# Altium PCB Hands_free_ControlUnit_V1.PcbDoc (part 2 of 3)
Units mm, origin at the board's own origin, x right, y up, seen from the top; angles counter-clockwise.
Board outline 60.25 x 90.27 mm, 2 copper layers (Top Layer, Bottom Layer); 33 components, 66 nets, 337 pads, 84 vias.
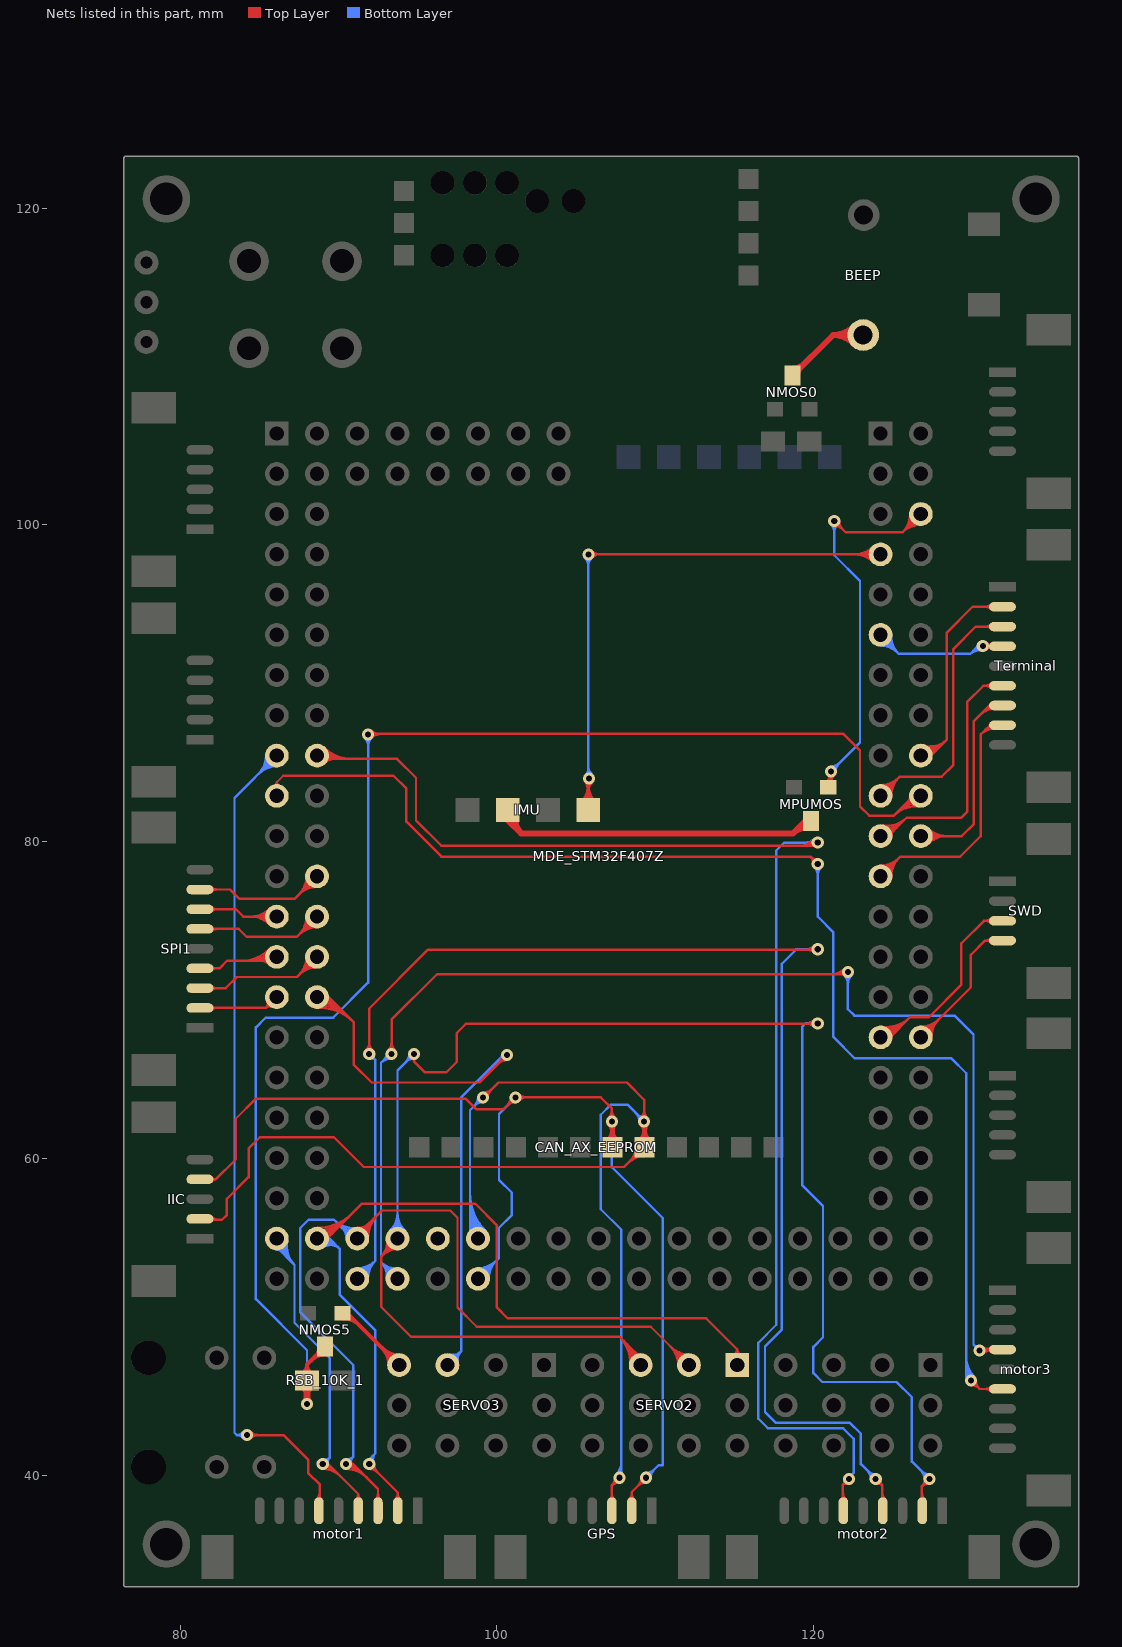
[diagram p2: the nets of this part, all layers, seen from the top]

## Via types
v1: diameter 0.762, hole 0.381, Top Layer to Bottom Layer, 70 vias
v2: diameter 1.016, hole 0.508, Top Layer to Bottom Layer, 11 vias
v3: diameter 1.27, hole 0.635, Top Layer to Bottom Layer, 3 vias

## Nets (pads, with @x,y where several pads share a name; then routed paths per layer and width w, separated by ;. In a path a pad name is that pad's centre, name@x,y a point inside that pad or via, vN(x,y) a via of type N, cw(c..) or ccw(c..) an arc to the next point about the centre after c; other vN are vias at no path point) (continued)
I2C1_SDA: IMU.4 MDE_STM32F407Z.137 | length 53.7
  Top Layer w0.152: IMU.4@105.29,82.493 ccw(c104.141,83.642) 105.766,83.642 ccw(c107.391,83.642) IMU.4@106.242,82.493 ; IMU.4@105.397,82.385 ccw(c104.509,83.274) 105.766,83.274 ccw(c107.023,83.274) IMU.4@106.134,82.385 ; IMU.4@105.505,82.277 ccw(c104.876,82.906) 105.766,82.906 ccw(c106.655,82.906) IMU.4@106.026,82.277 ; v1@105.571,83.817 cw(c104.972,83.374) 105.709,83.264 ; v1@105.601,83.782 cw(c105.203,83.385) 105.766,83.385 ; v1@105.635,83.753 cw(c105.407,83.444) 105.787,83.501 ; 105.711,83.276 cw(c106.43,83.168) v1@105.998,83.753 ; IMU.4@105.766,82.017 105.766,83.947 v1(105.816,83.998) ; 105.766,83.139 cw(c106.675,83.139) v1@106.032,83.782 ; 105.766,83.507 cw(c106.307,83.507) v1@105.924,83.89 ; v1(105.766,98.149) MDE_STM32F407Z.137@124.206,98.149 ; 105.787,83.497 cw(c105.98,83.526) v1@105.916,83.71 ; v1@105.981,97.934 cw(c106.501,97.413) 106.501,98.149 cw(c106.501,98.885) v1@105.981,98.365 ; MDE_STM32F407Z.137@123.73,97.673 ccw(c122.579,96.522) 122.579,98.149 ccw(c122.579,99.776) MDE_STM32F407Z.137@123.73,98.626 ; MDE_STM32F407Z.137@123.837,97.78 ccw(c122.947,96.89) 122.947,98.149 ccw(c122.947,99.408) MDE_STM32F407Z.137@123.837,98.518 ; MDE_STM32F407Z.137@123.945,97.888 ccw(c123.315,97.258) 123.315,98.149 ccw(c123.315,99.04) MDE_STM32F407Z.137@123.945,98.41
  Bottom Layer w0.152: v1@105.55,97.934 cw(c105.03,97.413) 105.766,97.413 cw(c106.501,97.413) v1@105.981,97.934 ; v1@105.601,84.213 ccw(c105.203,84.611) 105.766,84.611 ; 105.766,84.488 ccw(c106.307,84.488) v1@105.924,84.106 ; 105.766,84.856 ccw(c106.675,84.856) v1@106.032,84.213 ; v1(105.766,98.149) 105.766,84.049 v1(105.816,83.998)
I2C2_SCL: CAN_AX_EEPROM.6 GPS.2 IIC.4 MDE_STM32F407Z.69 | length 96.7
  Top Layer w0.152: IIC.4@81.331,58.699 82.245,58.699 ; IIC.4@81.98,58.571 cw(c82.245,58.361) 82.245,58.699 ; IIC.4@81.99,58.835 ccw(c82.245,59.007) 82.245,58.699 ; v1@100.863,63.881 cw(c100.128,63.881) 100.648,63.361 cw(c101.168,62.84) v1@101.168,63.576 ; v1@101.384,63.665 cw(c101.904,63.145) 101.904,63.881 cw(c101.904,64.617) v1@101.384,64.097 ; CAN_AX_EEPROM.6@106.894,61.127 ccw(c106.028,61.993) v1@107.253,61.993 ; CAN_AX_EEPROM.6@107.002,61.019 ccw(c106.396,61.625) 107.253,61.625 ; CAN_AX_EEPROM.6@107.036,60.935 107.239,60.731 107.253,60.746 v1(107.253,62.357) 107.253,63.181 106.553,63.881 v1(101.168,63.881) 100.432,63.144 98.679,63.144 98.019,63.805 84.785,63.805 83.515,62.535 83.515,59.969 82.245,58.699 ; v1@107.038,62.141 cw(c106.517,61.621) 107.253,61.621 cw(c107.989,61.621) v1@107.469,62.141 ; v1@107.038,62.573 ccw(c106.517,63.093) 107.253,63.093 ccw(c107.989,63.093) v1@107.469,62.573 ; v1@107.05,62.13 cw(c106.741,61.786) 107.195,61.696 ; v1@107.091,62.099 cw(c106.774,61.597) 107.353,61.728 ; v1@107.152,62.244 cw(c106.949,62.018) 107.247,61.959 ; 107.213,61.788 cw(c107.699,61.692) v1@107.423,62.104 ; 107.253,61.432 ccw(c107.99,61.432) CAN_AX_EEPROM.6@107.469,60.911 ; 107.253,61.8 ccw(c108.358,61.8) CAN_AX_EEPROM.6@107.577,61.019 ; v1@107.253,62.168 ccw(c108.726,62.168) CAN_AX_EEPROM.6@107.685,61.127 ; 107.305,61.94 cw(c107.69,62.027) v1@107.375,62.265 ; 107.377,61.62 cw(c108.033,61.768) v1@107.497,62.173 ; GPS.2@108.345,38.503 ccw(c107.963,38.885) 108.503,38.885 ccw(c109.044,38.885) GPS.2@108.662,38.503 ; GPS.2@108.503,37.643 108.503,38.975 v1(109.406,39.878) ; v1@109.101,39.878 cw(c108.366,39.878) 108.886,39.358 cw(c109.406,38.837) v1@109.406,39.573
  Bottom Layer w0.152: MDE_STM32F407Z.69@98.806,52.429 100.127,53.75 100.127,55.651 100.94,56.464 100.94,57.861 100.127,58.674 100.127,62.84 v1(101.168,63.881) ; MDE_STM32F407Z.69@98.806,52.798 ccw(c98.806,53.689) 99.436,53.059 ccw(c100.066,52.429) MDE_STM32F407Z.69@99.175,52.429 ; MDE_STM32F407Z.69@98.806,52.95 ccw(c98.806,54.209) 99.696,53.319 ccw(c100.586,52.429) MDE_STM32F407Z.69@99.327,52.429 ; MDE_STM32F407Z.69@98.806,53.103 ccw(c98.806,54.73) 99.956,53.579 ccw(c101.106,52.429) MDE_STM32F407Z.69@99.48,52.429 ; v1@100.863,63.881 cw(c100.128,63.881) 100.648,63.361 cw(c101.168,62.84) v1@101.168,63.576 ; v1@107.038,62.141 cw(c106.517,61.621) 107.253,61.621 cw(c107.989,61.621) v1@107.469,62.141 ; v1(107.253,62.357) 107.253,59.472 110.465,56.261 110.465,40.665 110.194,40.665 v1(109.406,39.878) ; v1@109.406,40.183 ccw(c109.406,40.919) 109.927,40.398 ccw(c110.447,39.878) v1@109.711,39.878
I2C2_SDA: CAN_AX_EEPROM.5 GPS.3 IIC.2 MDE_STM32F407Z.70 | length 121.4
  Top Layer w0.152: IIC.2@80.538,56.159 IIC.2@81.311,56.159 ; IIC.2@81.255,56.216 IIC.2@81.311,56.159 ; IIC.2@81.636,56.159 IIC.2@81.311,56.159 ; IIC.2@81.855,56.266 ccw(c82.113,56.524) 82.113,56.159 ; IIC.2@81.963,56.057 cw(c82.209,55.811) 82.209,56.159 ; IIC.2@81.963,56.374 ccw(c82.481,56.892) 82.481,56.159 ; v1(99.111,63.881) 99.162,63.881 100.101,64.821 108.204,64.821 109.289,63.736 v1(109.289,62.357) 109.289,60.75 108.026,59.487 91.592,59.487 89.713,61.366 85.039,61.366 84.328,60.655 84.328,58.852 82.956,57.48 82.956,56.464 82.652,56.159 IIC.2@81.311,56.159 ; v1@99.111,64.033 ccw(c99.111,64.524) 99.458,64.177 ; v1@99.111,64.186 ccw(c99.111,65.044) 99.718,64.437 ; v1@99.416,63.881 cw(c100.029,63.881) 99.595,64.315 ; GPS.3@107.095,38.503 ccw(c106.713,38.885) 107.253,38.885 ccw(c107.794,38.885) GPS.3@107.412,38.503 ; GPS.3@107.253,37.643 107.253,39.393 v1(107.738,39.878) ; v1@107.434,39.862 cw(c106.816,39.831) 107.253,39.393 cw(c107.691,38.955) v1@107.723,39.574 ; 108.281,59.742 cw(c109.322,58.701) CAN_AX_EEPROM.5@109.322,60.173 ; 108.404,59.864 ccw(c107.536,60.731) CAN_AX_EEPROM.5@108.763,60.731 ; 108.541,60.002 cw(c109.322,59.221) CAN_AX_EEPROM.5@109.322,60.325 ; 108.664,60.124 ccw(c108.057,60.731) CAN_AX_EEPROM.5@108.915,60.731 ; CAN_AX_EEPROM.5@108.801,60.262 cw(c109.322,59.742) CAN_AX_EEPROM.5@109.322,60.477 ; CAN_AX_EEPROM.5@108.926,61.127 ccw(c108.051,62.002) v1@109.289,62.002 ; CAN_AX_EEPROM.5@109.034,61.019 ccw(c108.419,61.634) 109.289,61.634 ; v1@109.073,62.141 cw(c108.553,61.621) 109.289,61.621 cw(c110.025,61.621) v1@109.504,62.141 ; v1@109.073,62.573 ccw(c108.553,63.093) 109.289,63.093 ccw(c110.025,63.093) v1@109.504,62.573 ; v1@109.083,62.132 cw(c108.765,61.784) 109.227,61.692 ; v1@109.126,62.099 cw(c108.812,61.603) 109.385,61.732 ; v1@109.186,62.245 cw(c108.978,62.018) 109.28,61.958 ; 109.246,61.786 cw(c109.736,61.689) v1@109.458,62.104 ; 109.289,61.423 ccw(c110.014,61.423) CAN_AX_EEPROM.5@109.501,60.911 ; 109.289,61.791 ccw(c110.382,61.791) CAN_AX_EEPROM.5@109.609,61.019 ; v1@109.289,62.159 ccw(c110.75,62.159) CAN_AX_EEPROM.5@109.717,61.127 ; 109.338,61.94 cw(c109.719,62.026) v1@109.41,62.264 ; 109.409,61.623 cw(c110.054,61.768) v1@109.53,62.171
  Bottom Layer w0.152: 98.298,55.615 ccw(c99.452,55.615) MDE_STM32F407Z.70@98.636,54.799 ; 98.298,55.983 ccw(c99.819,55.983) MDE_STM32F407Z.70@98.744,54.907 ; 98.298,56.351 ccw(c100.187,56.351) MDE_STM32F407Z.70@98.851,55.014 ; 98.298,56.718 ccw(c100.555,56.718) MDE_STM32F407Z.70@98.959,55.122 ; 98.298,57.086 ccw(c100.923,57.086) MDE_STM32F407Z.70@99.067,55.23 ; 98.298,57.454 ccw(c101.291,57.454) MDE_STM32F407Z.70@99.175,55.338 ; 98.298,57.822 ccw(c101.659,57.822) MDE_STM32F407Z.70@99.282,55.446 ; MDE_STM32F407Z.70@98.806,54.969 98.298,55.477 98.298,63.068 v1(99.111,63.881) ; v1@98.806,63.881 cw(c98.07,63.881) 98.59,63.361 cw(c99.111,62.84) v1@99.111,63.576 ; v1@107.523,40.094 ccw(c106.737,40.88) 107.848,40.88 ; v1@107.631,39.986 ccw(c107.105,40.512) 107.848,40.512 ; v1(107.738,39.878) 107.848,39.988 107.848,55.524 106.553,56.82 106.553,62.789 107.188,63.424 108.229,63.424 v1@109.271,62.382 ; 107.848,40.348 ccw(c108.208,40.348) v1@107.954,40.094 ; 108.763,62.89 cw(c108.231,62.357) v1@108.984,62.357 ; 108.781,62.872 ccw(c109.289,63.38) v1@109.289,62.662
IMU_PWR: MDE_STM32F407Z.139 MPUMOS.1 | length 38.1
  Top Layer w0.152: MPUMOS.1@120.726,83.744 ccw(c120.193,84.455) v1(121.082,84.455) 121.082,83.617 MPUMOS.1@120.904,83.439 ; MPUMOS.1@120.818,83.622 ccw(c120.421,84.15) v1@121.082,84.15 ; v1@120.866,84.239 cw(c120.346,83.719) 121.082,83.719 cw(c121.818,83.719) v1@121.297,84.239 ; v1@120.894,84.215 cw(c120.774,84.061) 120.963,84.011 cw(c121.151,83.96) v1@121.124,84.153 ; v1@120.93,84.191 cw(c120.824,84.007) 121.029,83.952 cw(c121.377,83.859) v1@121.217,84.182 ; 121.082,84.052 ccw(c121.568,84.052) MPUMOS.1@121.224,83.708 ; v1@121.285,99.949 cw(c121.285,99.213) 121.805,99.733 cw(c122.326,100.254) v1@121.59,100.254 ; v1(121.285,100.254) 121.996,99.543 125.6,99.543 ; MDE_STM32F407Z.139@126.072,100.688 cw(c124.459,100.684) 125.6,99.543 ; MDE_STM32F407Z.139@126.225,100.688 cw(c124.976,100.685) 125.859,99.802 cw(c126.742,98.919) MDE_STM32F407Z.139@126.745,100.168 ; MDE_STM32F407Z.139@126.377,100.688 cw(c125.493,100.686) 126.118,100.061 cw(c126.743,99.436) MDE_STM32F407Z.139@126.745,100.32 ; MDE_STM32F407Z.139@126.744,100.015 ccw(c126.741,98.402) 125.6,99.543 ; MDE_STM32F407Z.139@126.746,100.689 125.6,99.543
  Bottom Layer w0.152: v1@121.069,100.038 cw(c120.549,99.518) 121.285,99.518 cw(c122.021,99.518) v1@121.501,100.038 ; v1(121.082,84.455) 122.911,86.284 122.911,96.469 121.285,98.095 v1(121.285,100.254) ; v1@121.082,84.76 ccw(c121.082,85.496) 121.602,84.975 ccw(c122.122,84.455) v1@121.387,84.455 ; MDE_STM32F407Z.139@126.597,100.689 MDE_STM32F407Z.139@126.746,100.689
JY_PWR: MDE_STM32F407Z.68
MOTOR1_ADC: MDE_STM32F407Z.27 motor1.6 | length 62.6
  Top Layer w0.152: v1@84.201,42.57 86.538,42.57 88.087,41.021 88.087,40.183 88.824,39.446 88.824,37.704 motor1.6@88.762,37.643 ; v1@84.442,42.355 cw(c84.962,41.835) 84.962,42.57 cw(c84.962,43.306) v1@84.442,42.786 ; MDE_STM32F407Z.27@86.106,85.449 MDE_STM32F407Z.27@86.338,85.449 ; motor1.6@88.604,38.503 ccw(c88.073,39.034) 88.824,39.034 ; motor1.6@88.712,38.396 ccw(c88.441,38.666) 88.824,38.666 ; 88.824,38.737 ccw(c89.154,38.737) motor1.6@88.92,38.503
  Bottom Layer w0.152: v1@83.989,42.38 ccw(c83.591,42.061) 83.591,42.57 ; v1@83.989,42.761 cw(c83.591,43.079) 83.591,42.57 ; v1@84.531,42.57 83.591,42.57 ; MDE_STM32F407Z.27@85.432,85.449 cw(c83.806,85.449) 84.956,84.299 cw(c86.106,83.149) MDE_STM32F407Z.27@86.106,84.775 ; MDE_STM32F407Z.27@85.585,85.449 cw(c84.326,85.449) 85.216,84.559 cw(c86.106,83.669) MDE_STM32F407Z.27@86.106,84.928 ; MDE_STM32F407Z.27@85.737,85.449 cw(c84.846,85.449) 85.476,84.819 cw(c86.106,84.189) MDE_STM32F407Z.27@86.106,85.08 ; MDE_STM32F407Z.27@86.106,85.449 83.439,82.782 83.439,42.723 83.591,42.57
  other v1: 84.226,42.57
MOTOR1_EN: MDE_STM32F407Z.59 motor1.4 | length 31.4
  Top Layer w0.152: v1@89.008,40.437 cw(c89.008,38.859) 90.124,39.975 ; v1@89.008,40.589 cw(c89.008,39.379) 89.864,40.235 ; 89.604,40.495 ccw(c89.008,39.899) v1(89.008,40.742) 89.357,40.742 91.251,38.847 motor1.4@91.251,37.643 ; motor1.4@91.102,38.512 ccw(c90.8,38.847) 91.251,38.847 ccw(c91.703,38.847) motor1.4@91.401,38.512
  Bottom Layer w0.152: MDE_STM32F407Z.59@86.106,54.295 cw(c86.106,53.965) 86.34,54.198 ; MDE_STM32F407Z.59@86.106,54.969 86.106,54.432 87.224,53.315 ; MDE_STM32F407Z.59@86.169,54.956 ccw(c87.076,54.771) 86.422,54.117 ; MDE_STM32F407Z.59@86.318,54.926 ccw(c87.409,54.704) 86.622,53.916 ; MDE_STM32F407Z.59@86.468,54.895 ccw(c87.743,54.636) 86.823,53.716 ; MDE_STM32F407Z.59@86.617,54.865 ccw(c88.076,54.568) 87.023,53.515 ; MDE_STM32F407Z.59@86.766,54.835 ccw(c88.409,54.5) 87.224,53.315 ; v1@88.697,40.869 89.179,40.869 89.459,41.148 ; v1@89.077,41.039 ccw(c89.169,41.438) 89.459,41.148 ; v1@89.313,40.761 cw(c89.814,40.793) 89.459,41.148 ; 87.224,53.315 87.224,49.657 89.459,47.422 89.459,41.148
MOTOR2_ADC: MDE_STM32F407Z.28 motor2.6 | length 98.2
  Top Layer w0.152: MDE_STM32F407Z.28@88.646,85.449 88.853,85.242 93.701,85.242 94.894,84.049 94.894,81.356 96.495,79.756 v1@120.244,79.756 ; MDE_STM32F407Z.28@88.799,85.602 ccw(c89.668,86.471) 89.668,85.242 ; MDE_STM32F407Z.28@88.907,85.71 ccw(c90.036,86.839) 90.036,85.242 ; MDE_STM32F407Z.28@89.015,85.08 cw(c89.406,84.689) 89.406,85.242 ; MDE_STM32F407Z.28@89.015,85.818 ccw(c90.404,87.207) 90.404,85.242 ; MDE_STM32F407Z.28@89.122,84.973 cw(c89.774,84.321) 89.774,85.242 ; MDE_STM32F407Z.28@89.122,85.926 ccw(c90.772,87.575) 90.772,85.242 ; 119.017,79.756 ccw(c119.017,81.186) v1@120.028,80.175 ; 119.385,79.756 ccw(c119.385,80.818) v1@120.136,80.067 ; 119.753,79.756 ccw(c119.753,80.45) v1(120.244,79.959) v1@120.167,80.035 ; motor2.6@121.7,38.503 ccw(c121.379,38.824) 121.833,38.824 ; motor2.6@121.833,37.643 121.833,39.425 v1(122.21,39.802) ; 121.833,38.947 ccw(c122.46,38.947) motor2.6@122.017,38.503 ; v1@121.915,39.725 cw(c121.612,39.646) 121.833,39.425 cw(c122.054,39.204) v1@122.133,39.507
  Bottom Layer w0.152: v1@119.939,80.035 v1@120.015,79.959 ; v1@119.939,80.086 v1@120.015,80.01 ; v1@120.028,79.744 ccw(c119.508,79.223) 119.508,79.959 ccw(c119.508,80.695) v1@120.028,80.175 ; v1(120.244,79.959) 118.135,79.959 117.627,79.451 117.627,49.53 116.484,48.387 116.484,43.612 117.094,43.002 121.844,43.002 122.504,42.342 122.504,40.183 v1@122.326,40.005
MOTOR2_EN: MDE_STM32F407Z.63 motor2.4 | length 104.3
  Top Layer w0.152: v1@91.724,66.84 ccw(c91.204,67.36) 91.94,67.36 ccw(c92.675,67.36) v1@92.155,66.84 ; v1(91.94,66.624) 91.94,69.486 95.656,73.203 v1@120.244,73.203 ; 119.446,73.203 ccw(c119.446,74.025) v1@120.028,73.444 ; 119.569,73.203 cw(c119.569,72.554) v1@120.028,73.013 ; 119.814,73.203 ccw(c119.814,73.657) v1@120.136,73.336 ; v1(123.901,39.802) 124.322,39.381 ; v1@123.95,39.501 cw(c124.019,39.077) 124.322,39.381 ; motor2.4@124.189,38.503 ccw(c123.869,38.824) 124.322,38.824 ; v1@124.202,39.753 ccw(c124.626,39.684) 124.322,39.381 ; motor2.4@124.322,37.643 124.322,39.381 ; 124.322,38.947 ccw(c124.949,38.947) motor2.4@124.506,38.503
  Bottom Layer w0.152: MDE_STM32F407Z.63@91.186,52.429 92.329,53.572 ; MDE_STM32F407Z.63@91.188,52.798 ccw(c91.192,53.675) 91.812,53.055 ccw(c92.432,52.435) MDE_STM32F407Z.63@91.555,52.431 ; MDE_STM32F407Z.63@91.188,52.95 ccw(c91.194,54.19) 92.07,53.314 ccw(c92.947,52.437) MDE_STM32F407Z.63@91.707,52.431 ; MDE_STM32F407Z.63@91.189,53.103 ccw(c91.196,54.705) 92.329,53.572 ; MDE_STM32F407Z.63@91.86,52.432 cw(c93.462,52.439) 92.329,53.572 ; v1(91.94,66.624) 92.329,66.235 ; v1@92.008,66.327 cw(c92.085,65.991) 92.329,66.235 ; v1@92.237,66.556 ccw(c92.573,66.479) 92.329,66.235 ; v1@120.028,73.013 ccw(c119.508,72.492) 119.508,73.228 ccw(c119.508,73.964) v1@120.028,73.444 ; v1(120.244,73.228) 118.897,73.228 117.983,72.314 117.983,49.225 116.916,48.158 116.916,44.018 117.577,43.358 122.257,43.358 122.961,42.653 122.961,40.742 v1(123.901,39.802) ; v1@123.596,39.802 ccw(c122.861,39.802) 123.381,40.322 ccw(c123.901,40.842) v1@123.901,40.107 ; 92.329,53.572 92.329,66.235
MOTOR3_ADC: MDE_STM32F407Z.29 motor3.6 | length 89.8
  Top Layer w0.152: MDE_STM32F407Z.29@85.945,83.563 ccw(c85.894,83.769) 86.106,83.769 ; MDE_STM32F407Z.29@86.106,82.909 86.106,83.769 ; MDE_STM32F407Z.29@86.267,83.563 cw(c86.318,83.769) 86.106,83.769 ; v1@119.94,78.642 ccw(c119.409,78.693) 119.786,79.07 ; v1@120.214,78.916 cw(c120.164,79.447) 119.786,79.07 ; v1(120.244,78.613) 119.786,79.07 ; v1@129.921,45.72 cw(c129.921,44.984) 130.441,45.504 cw(c130.962,46.025) v1@130.226,46.025 ; v1(129.921,46.025) 130.465,45.481 motor3.6@132.105,45.481 ; motor3.6@131.194,45.322 ccw(c130.812,44.94) 130.812,45.481 ccw(c130.812,46.021) motor3.6@131.194,45.639 ; 86.106,83.769 86.512,84.176 93.472,84.176 94.285,83.363 94.285,81.28 96.495,79.07 119.786,79.07
  Bottom Layer w0.152: v1@120.028,78.397 cw(c119.508,77.877) 120.244,77.877 cw(c120.979,77.877) v1@120.459,78.397 ; v1(120.244,78.613) 120.244,75.286 121.234,74.295 121.234,67.691 122.58,66.345 128.676,66.345 129.616,65.405 129.616,46.33 v1(129.921,46.025) cw(c130.657,46.761) 129.616,46.761 ; 129.616,46.393 ccw(c130.289,46.393) v1@129.813,45.917 ; 129.616,47.129 ccw(c131.025,47.129) v1@130.029,46.133 ; 129.616,47.497 ccw(c131.393,47.497) v1@130.137,46.24
MOTOR3_EN: MDE_STM32F407Z.65 motor3.4 | length 93.5
  Top Layer w0.152: v1@93.136,66.84 ccw(c92.615,67.36) 93.351,67.36 ccw(c94.087,67.36) v1@93.567,66.84 ; v1(93.351,66.624) 93.351,68.79 96.215,71.653 v1@122.149,71.653 ; 121.106,71.653 ccw(c121.106,72.823) v1@121.933,71.996 ; 121.474,71.653 ccw(c121.474,72.455) v1@122.041,71.888 ; 121.719,71.653 cw(c121.719,71.351) v1@121.933,71.565 ; v1(130.454,47.904) 130.52,47.97 motor3.4@132.105,47.97 ; v1@130.562,47.797 cw(c130.98,47.379) 130.98,47.97 ; v1@130.666,48.124 ccw(c130.933,48.401) 131.033,48.029 ccw(c131.154,47.578) v1@130.731,47.775 ; v1@130.67,47.689 cw(c131.348,47.011) motor3.4@131.348,47.97 ; v1@130.67,48.12 ccw(c131.032,48.482) 131.032,47.97 ; motor3.4@131.194,47.812 ccw(c130.812,47.43) 130.812,47.97 ccw(c130.812,48.51) motor3.4@131.194,48.128
  Bottom Layer w0.152: 92.907,66.288 ccw(c92.571,66.624) v1@93.047,66.624 ; 92.93,66.31 cw(c93.321,65.919) v1@93.345,66.472 ; MDE_STM32F407Z.65@93.054,52.478 ccw(c91.785,52.571) 92.685,53.47 ; v1@93.116,66.497 92.685,66.065 ; MDE_STM32F407Z.65@93.206,52.467 ccw(c92.224,52.539) 92.92,53.235 ccw(c93.616,53.931) MDE_STM32F407Z.65@93.688,52.949 ; v1@93.338,66.32 ccw(c93.3,65.45) 92.685,66.065 ; MDE_STM32F407Z.65@93.358,52.456 ccw(c92.663,52.507) 93.156,52.999 ccw(c93.648,53.492) MDE_STM32F407Z.65@93.699,52.797 ; MDE_STM32F407Z.65@93.677,53.101 cw(c93.584,54.37) 92.685,53.47 ; MDE_STM32F407Z.65@93.726,52.429 92.685,53.47 ; v1@121.933,71.565 cw(c121.413,71.045) 122.149,71.045 cw(c122.884,71.045) v1@122.364,71.565 ; v1(122.149,71.78) 122.149,69.444 122.555,69.037 128.88,69.037 130.073,67.843 130.073,48.285 v1(130.454,47.904) ; 92.685,53.47 92.685,66.065
NetBEEP_2: BEEP.2 NMOS0.3 | length 11.3
  Top Layer w0.381: NMOS0.3@118.643,109.423 121.209,111.989 ; NMOS0.3@118.643,109.868 ccw(c118.643,110.941) 119.402,110.182 ; NMOS0.3@118.961,109.55 cw(c119.421,109.55) NMOS0.3@119.096,109.875 ; BEEP.2@122.531,111.427 ccw(c121.209,110.152) 121.209,111.989 ; BEEP.2@122.531,112.55 cw(c121.209,113.825) 121.209,111.989 ; BEEP.2@122.805,111.691 ccw(c122.105,111.016) 122.105,111.989 ccw(c122.105,112.961) BEEP.2@122.805,112.286 ; BEEP.2@123.114,111.989 121.209,111.989
NetNMOS5_1: NMOS5.1 SERVO3.10 | length 10.4
  Top Layer w0.254: NMOS5.1@90.246,50.267 90.551,50.267 SERVO3.10@93.828,46.99 ; NMOS5.1@90.297,49.936 cw(c90.297,48.526) 91.294,49.523 ; NMOS5.1@90.297,50.19 cw(c90.297,49.393) 90.861,49.957 ; SERVO3.10@93.205,46.99 ccw(c91.701,46.99) 92.764,48.054 ccw(c93.828,49.117) SERVO3.10@93.828,47.613 ; SERVO3.10@93.459,46.99 ccw(c92.568,46.99) 93.198,47.62 ccw(c93.828,48.25) SERVO3.10@93.828,47.359
POWER_IMU: IMU.2 MPUMOS.3 | length 24.7
  Top Layer w0.381: IMU.2@100.686,82.017 100.686,81.382 101.524,80.543 ; IMU.2@100.854,81.961 ccw(c101.766,81.659) 101.087,80.98 ; IMU.2@101.216,81.841 ccw(c102.422,81.442) 101.524,80.543 ; 119.218,81.071 cw(c119.712,80.578) MPUMOS.3@119.822,81.267 ; MPUMOS.3@119.762,80.89 ccw(c119.566,79.668) 118.691,80.543 ; MPUMOS.3@119.812,81.331 119.478,81.331 118.691,80.543 ; 101.524,80.543 118.691,80.543
PPM: MDE_STM32F407Z.46 SERVO3.7 | length 56
  Top Layer w0.152: MDE_STM32F407Z.46@88.638,70.45 cw(c88.675,69.331) 89.466,70.123 ; MDE_STM32F407Z.46@88.643,70.297 cw(c88.69,68.85) 89.714,69.874 ; MDE_STM32F407Z.46@88.646,70.209 89.379,70.209 90.957,68.631 ; MDE_STM32F407Z.46@88.648,70.145 cw(c88.706,68.369) 89.963,69.625 ; MDE_STM32F407Z.46@88.653,69.993 cw(c88.722,67.887) 90.211,69.377 ; MDE_STM32F407Z.46@88.658,69.84 cw(c88.738,67.406) 90.46,69.128 ; MDE_STM32F407Z.46@88.663,69.688 cw(c88.753,66.924) 90.709,68.879 ; MDE_STM32F407Z.46@88.668,69.536 cw(c88.769,66.443) 90.957,68.631 ; v1@100.33,66.548 cw(c99.594,66.548) 100.114,66.028 cw(c100.635,65.507) v1@100.635,66.243 ; v1(100.635,66.548) 98.908,64.821 92.1,64.821 90.957,65.964 90.957,68.631
  Bottom Layer w0.152: SERVO3.7@96.876,46.99 97.739,47.854 ; SERVO3.7@96.991,47.498 ccw(c97.123,48.079) 97.544,47.658 ccw(c97.965,47.237) SERVO3.7@97.384,47.105 ; SERVO3.7@97.025,47.647 ccw(c97.195,48.398) 97.739,47.854 ; SERVO3.7@97.533,47.139 cw(c98.284,47.309) 97.739,47.854 ; 99.724,65.866 cw(c100.635,64.955) v1@100.635,66.243 ; 99.984,66.126 cw(c100.635,65.476) v1@100.635,66.396 ; 100.245,66.386 cw(c100.635,65.996) v1(100.635,66.548) 100.406,66.548 97.739,63.881 97.739,47.854 ; 100.276,66.418 ccw(c100.146,66.548) v1@100.33,66.548
SBUS: MDE_STM32F407Z.122 NMOS5.3 RSB_10K_1.1 | length 114.9
  Top Layer w0.152: RSB_10K_1.1@87.617,45.63 cw(c86.664,44.676) 88.013,44.676 cw(c89.362,44.676) RSB_10K_1.1@88.408,45.63 ; RSB_10K_1.1@87.725,45.737 cw(c87.031,45.044) 88.013,45.044 cw(c88.994,45.044) RSB_10K_1.1@88.3,45.737 ; v1@87.758,44.694 ccw(c87.154,45.092) 87.854,45.277 ; v1@87.797,44.742 ccw(c87.277,45.262) 88.013,45.262 ccw(c88.748,45.262) v1@88.228,44.742 ; v1@87.859,44.79 ccw(c87.555,45.313) 88.14,45.158 ; v1@87.885,44.61 ccw(c87.535,44.841) 87.941,44.948 ; 87.885,45.158 ccw(c88.47,45.313) v1@88.166,44.79 ; RSB_10K_1.1@88.013,46.025 v1(88.013,44.526) 88.013,44.245 v1@88.036,44.221 ; 88.085,44.948 ccw(c88.49,44.841) v1@88.14,44.61 ; 88.172,45.277 ccw(c88.871,45.092) v1@88.267,44.694 ; v1@91.897,86.792 91.923,86.817 121.869,86.817 122.911,85.776 122.911,82.245 123.495,81.661 125.044,81.661 ; v1@91.98,86.684 cw(c92.301,86.363) 92.301,86.817 ; v1@92.087,86.576 cw(c92.669,85.995) 92.669,86.817 ; v1@92.087,87.007 ccw(c92.546,87.466) 92.546,86.817 ; 125.27,81.887 cw(c126.509,80.648) MDE_STM32F407Z.122@126.692,82.391 ; 125.496,82.113 cw(c126.552,81.058) MDE_STM32F407Z.122@126.707,82.542 ; 125.722,82.339 cw(c126.595,81.467) MDE_STM32F407Z.122@126.723,82.694 ; 125.917,82.533 ccw(c125.541,82.909) MDE_STM32F407Z.122@126.072,82.909 ; 125.948,82.565 cw(c126.638,81.876) MDE_STM32F407Z.122@126.739,82.845 ; MDE_STM32F407Z.122@126.676,82.239 ccw(c126.466,80.239) 125.044,81.661 ; MDE_STM32F407Z.122@126.746,82.909 126.292,82.909 125.044,81.661
  Top Layer w0.254: RSB_10K_1.1@87.716,46.437 ccw(c87.298,47.017) 88.013,47.017 ; RSB_10K_1.1@88.013,46.025 88.013,47.017 ; 88.287,47.291 cw(c89.154,46.424) NMOS5.3@89.154,47.65 ; RSB_10K_1.1@88.31,46.437 cw(c88.727,47.017) 88.013,47.017 ; 88.593,47.598 ccw(c88.16,48.031) NMOS5.3@88.773,48.031 ; NMOS5.3@88.72,47.725 cw(c89.154,47.291) NMOS5.3@89.154,47.904 ; NMOS5.3@89.154,48.158 88.013,47.017
  Bottom Layer w0.152: v1@87.797,44.742 ccw(c87.277,45.262) 88.013,45.262 ccw(c88.748,45.262) v1@88.228,44.742 ; v1(88.013,44.526) 88.013,47.928 84.785,51.156 84.785,68.301 85.395,68.91 89.662,68.91 91.872,71.12 v1(91.872,86.792) ; v1@91.656,86.576 cw(c91.136,86.056) 91.872,86.056 cw(c92.608,86.056) v1@92.087,86.576
SPI1_IOA: MDE_STM32F407Z.45 SPI1.2 | length 6.9
  Top Layer w0.152: SPI1.2@81.255,69.525 85.422,69.525 ; SPI1.2@81.963,69.367 cw(c82.345,68.985) 82.345,69.525 cw(c82.345,70.065) SPI1.2@81.963,69.683 ; MDE_STM32F407Z.45@85.494,69.927 cw(c85.17,69.778) 85.422,69.525 ; MDE_STM32F407Z.45@85.824,69.597 ccw(c85.675,69.273) 85.422,69.525 ; MDE_STM32F407Z.45@86.106,70.209 85.422,69.525
SPI1_IOB: MDE_STM32F407Z.44 SPI1.3 | length 15
  Top Layer w0.152: SPI1.3@81.255,70.775 82.891,70.775 83.591,71.476 87.373,71.476 MDE_STM32F407Z.44@88.646,72.749 ; SPI1.3@81.963,70.617 cw(c82.345,70.235) 82.345,70.775 cw(c82.345,71.315) SPI1.3@81.963,70.933 ; MDE_STM32F407Z.44@87.972,72.749 cw(c86.346,72.749) 87.496,71.599 cw(c88.646,70.449) MDE_STM32F407Z.44@88.646,72.075 ; MDE_STM32F407Z.44@88.125,72.749 cw(c86.866,72.749) 87.756,71.859 cw(c88.646,70.969) MDE_STM32F407Z.44@88.646,72.228 ; MDE_STM32F407Z.44@88.277,72.749 cw(c87.386,72.749) 88.016,72.119 cw(c88.646,71.489) MDE_STM32F407Z.44@88.646,72.38
SPI1_MISO: MDE_STM32F407Z.42 SPI1.6 | length 14.9
  Top Layer w0.152: SPI1.6@81.255,74.509 83.708,74.509 84.201,74.016 87.373,74.016 MDE_STM32F407Z.42@88.646,75.289 ; SPI1.6@81.963,74.351 cw(c82.345,73.969) 82.345,74.509 cw(c82.345,75.049) SPI1.6@81.963,74.667 ; MDE_STM32F407Z.42@87.972,75.289 cw(c86.346,75.289) 87.496,74.139 cw(c88.646,72.989) MDE_STM32F407Z.42@88.646,74.615 ; MDE_STM32F407Z.42@88.125,75.289 cw(c86.866,75.289) 87.756,74.399 cw(c88.646,73.509) MDE_STM32F407Z.42@88.646,74.768 ; MDE_STM32F407Z.42@88.277,75.289 cw(c87.386,75.289) 88.016,74.659 cw(c88.646,74.029) MDE_STM32F407Z.42@88.646,74.92
SPI1_MOSI: MDE_STM32F407Z.43 SPI1.4 | length 13.4
  Top Layer w0.152: SPI1.4@81.255,72.02 82.485,72.02 82.967,72.502 85.859,72.502 MDE_STM32F407Z.43@86.106,72.749 ; SPI1.4@81.963,71.862 cw(c82.345,71.48) 82.345,72.02 cw(c82.345,72.56) SPI1.4@81.963,72.178 ; 83.884,72.502 ccw(c83.884,74.971) MDE_STM32F407Z.43@85.63,73.226 ; 84.252,72.502 ccw(c84.252,74.603) MDE_STM32F407Z.43@85.737,73.118 ; 84.62,72.502 ccw(c84.62,74.236) MDE_STM32F407Z.43@85.845,73.01 ; 84.988,72.502 ccw(c84.988,73.868) MDE_STM32F407Z.43@85.953,72.902 ; 85.075,72.502 cw(c85.075,71.718) MDE_STM32F407Z.43@85.63,72.273 ; 85.355,72.502 ccw(c85.355,73.5) MDE_STM32F407Z.43@86.061,72.794
SPI1_NSS: MDE_STM32F407Z.40 SPI1.8 | length 15
  Top Layer w0.152: SPI1.8@81.255,76.998 83.149,76.998 83.744,76.403 87.22,76.403 MDE_STM32F407Z.40@88.646,77.829 ; SPI1.8@81.963,76.84 cw(c82.345,76.458) 82.345,76.998 cw(c82.345,77.538) SPI1.8@81.963,77.156 ; MDE_STM32F407Z.40@87.972,77.829 cw(c86.346,77.829) 87.496,76.679 cw(c88.646,75.529) MDE_STM32F407Z.40@88.646,77.155 ; MDE_STM32F407Z.40@88.125,77.829 cw(c86.866,77.829) 87.756,76.939 cw(c88.646,76.049) MDE_STM32F407Z.40@88.646,77.308 ; MDE_STM32F407Z.40@88.277,77.829 cw(c87.386,77.829) 88.016,77.199 cw(c88.646,76.569) MDE_STM32F407Z.40@88.646,77.46
SPI1_SCK: MDE_STM32F407Z.41 SPI1.7 | length 11.8
  Top Layer w0.152: SPI1.7@81.255,75.754 83.53,75.754 83.994,75.289 MDE_STM32F407Z.41@86.106,75.289 ; SPI1.7@81.963,75.595 cw(c82.345,75.213) 82.345,75.754 cw(c82.345,76.294) SPI1.7@81.963,75.912 ; MDE_STM32F407Z.41@85.63,74.813 ccw(c84.479,73.662) 84.479,75.289 ccw(c84.479,76.916) MDE_STM32F407Z.41@85.63,75.766 ; MDE_STM32F407Z.41@85.737,74.92 ccw(c84.847,74.03) 84.847,75.289 ccw(c84.847,76.548) MDE_STM32F407Z.41@85.737,75.658 ; MDE_STM32F407Z.41@85.845,75.028 ccw(c85.215,74.398) 85.215,75.289 ccw(c85.215,76.18) MDE_STM32F407Z.41@85.845,75.55
SWCLK: MDE_STM32F407Z.109 SWD.3 | length 21.7
  Top Layer w0.152: MDE_STM32F407Z.109@124.194,67.582 ccw(c124.316,68.497) 124.969,67.844 ; MDE_STM32F407Z.109@124.206,67.669 124.794,67.669 126.06,68.936 ; MDE_STM32F407Z.109@124.214,67.733 ccw(c124.367,68.883) 125.187,68.062 ; MDE_STM32F407Z.109@124.234,67.884 ccw(c124.418,69.268) 125.405,68.281 ; MDE_STM32F407Z.109@124.254,68.035 ccw(c124.469,69.654) 125.624,68.499 ; MDE_STM32F407Z.109@124.275,68.186 ccw(c124.52,70.039) 125.842,68.717 ; MDE_STM32F407Z.109@124.295,68.337 ccw(c124.571,70.424) 126.06,68.936 ; SWD.3@131.194,74.863 ccw(c130.812,74.481) 130.812,75.021 ccw(c130.812,75.561) SWD.3@131.194,75.179 ; SWD.3@132.105,75.021 130.723,75.021 129.311,73.609 129.311,70.993 127.254,68.936 126.06,68.936
SWDIO: MDE_STM32F407Z.105 SWD.4 | length 15.9
  Top Layer w0.152: MDE_STM32F407Z.105@126.746,67.669 129.896,70.819 129.896,72.873 130.799,73.776 SWD.4@132.105,73.776 ; MDE_STM32F407Z.105@126.746,68.038 ccw(c126.746,68.929) 127.376,68.299 ccw(c128.006,67.669) MDE_STM32F407Z.105@127.115,67.669 ; MDE_STM32F407Z.105@126.746,68.19 ccw(c126.746,69.449) 127.636,68.559 ccw(c128.526,67.669) MDE_STM32F407Z.105@127.267,67.669 ; MDE_STM32F407Z.105@126.746,68.343 ccw(c126.746,69.97) 127.896,68.819 ccw(c129.046,67.669) MDE_STM32F407Z.105@127.42,67.669 ; SWD.4@131.194,73.618 ccw(c130.812,73.236) 130.812,73.776 ccw(c130.812,74.316) SWD.4@131.194,73.934
T_IO1: MDE_STM32F407Z.117 Terminal.8 | length 23.2
  Top Layer w0.152: MDE_STM32F407Z.117@124.206,77.724 MDE_STM32F407Z.117@124.206,77.829 125.447,79.07 129.235,79.07 130.531,80.366 130.531,86.792 131.104,87.365 Terminal.8@132.105,87.365 ; MDE_STM32F407Z.117@124.206,78.198 ccw(c124.206,79.089) 124.836,78.459 ccw(c125.466,77.829) MDE_STM32F407Z.117@124.575,77.829 ; MDE_STM32F407Z.117@124.206,78.35 ccw(c124.206,79.609) 125.096,78.719 ccw(c125.986,77.829) MDE_STM32F407Z.117@124.727,77.829 ; MDE_STM32F407Z.117@124.206,78.503 ccw(c124.206,80.13) 125.356,78.979 ccw(c126.506,77.829) MDE_STM32F407Z.117@124.88,77.829 ; 130.546,86.808 cw(c131.352,86.002) Terminal.8@131.352,87.141 ; 130.807,87.068 cw(c131.352,86.522) Terminal.8@131.352,87.294
T_IO2: MDE_STM32F407Z.118 Terminal.7 | length 20.5
  Top Layer w0.152: MDE_STM32F407Z.118@126.746,80.369 129.329,80.369 130.099,81.138 130.099,87.63 131.079,88.61 Terminal.7@132.105,88.61 ; MDE_STM32F407Z.118@127.007,80.108 cw(c127.637,79.478) 127.637,80.369 cw(c127.637,81.26) MDE_STM32F407Z.118@127.007,80.63 ; MDE_STM32F407Z.118@127.115,80 cw(c128.005,79.11) 128.005,80.369 cw(c128.005,81.628) MDE_STM32F407Z.118@127.115,80.738 ; MDE_STM32F407Z.118@127.222,79.893 cw(c128.373,78.742) 128.373,80.369 cw(c128.373,81.996) MDE_STM32F407Z.118@127.222,80.846 ; 130.503,88.034 cw(c131.352,87.185) Terminal.7@131.352,88.386 ; 130.763,88.294 cw(c131.352,87.705) Terminal.7@131.352,88.538 ; 131.023,88.555 cw(c131.352,88.226) Terminal.7@131.352,88.691
T_IO3: MDE_STM32F407Z.119 Terminal.6 | length 23.5
  Top Layer w0.152: MDE_STM32F407Z.119@124.206,80.369 124.692,80.369 125.857,81.534 ; MDE_STM32F407Z.119@124.216,80.432 ccw(c124.362,81.342) 125.013,80.69 ; MDE_STM32F407Z.119@124.24,80.583 ccw(c124.421,81.705) 125.224,80.901 ; MDE_STM32F407Z.119@124.265,80.733 ccw(c124.479,82.068) 125.435,81.112 ; MDE_STM32F407Z.119@124.289,80.884 ccw(c124.538,82.431) 125.646,81.323 ; MDE_STM32F407Z.119@124.313,81.034 ccw(c124.596,82.795) 125.857,81.534 ; MDE_STM32F407Z.119@124.88,80.369 cw(c125.333,80.369) 125.013,80.69 ; Terminal.6@131.194,89.696 ccw(c130.812,89.314) 130.812,89.854 ccw(c130.812,90.395) Terminal.6@131.194,90.013 ; Terminal.6@132.105,89.854 130.698,89.854 129.667,88.824 129.667,81.89 129.311,81.534 125.857,81.534
T_IO4: MDE_STM32F407Z.133 Terminal.4 | length 18
  Top Layer w0.152: v1(130.658,92.354) 131.891,92.354 Terminal.4@131.902,92.344 ; v1@130.786,92.354 cw(c130.786,91.777) Terminal.4@131.194,92.185 ; v1@130.838,92.354 ccw(c130.838,92.858) Terminal.4@131.194,92.502 ; v1@130.873,92.139 cw(c131.393,91.619) 131.393,92.354 cw(c131.393,93.09) v1@130.873,92.57
  Bottom Layer w0.152: MDE_STM32F407Z.133@124.206,92.395 cw(c124.206,90.9) 125.264,91.957 ; MDE_STM32F407Z.133@124.206,92.548 cw(c124.206,91.42) 125.003,92.217 ; MDE_STM32F407Z.133@124.206,92.7 cw(c124.206,91.94) 124.743,92.478 ; MDE_STM32F407Z.133@124.206,93.069 124.206,93.015 125.349,91.872 ; MDE_STM32F407Z.133@124.575,93.059 ccw(c125.509,93.033) 124.848,92.373 ; MDE_STM32F407Z.133@124.727,93.055 ccw(c125.996,93.02) 125.099,92.122 ; MDE_STM32F407Z.133@124.88,93.051 ccw(c126.484,93.007) 125.349,91.872 ; 130.056,92.058 cw(c130.466,91.648) v1@130.618,92.207 ; 130.242,92.244 cw(c130.545,91.941) v1(130.658,92.354) 130.353,92.354 129.87,91.872 ; v1@130.578,92.06 ccw(c130.387,91.355) 129.87,91.872 ; 125.349,91.872 129.87,91.872
T_IO5: MDE_STM32F407Z.123 Terminal.3 | length 23.4
  Top Layer w0.152: MDE_STM32F407Z.123@124.206,82.909 125.422,84.125 128.067,84.125 128.803,84.861 128.803,92.177 130.215,93.588 Terminal.3@132.105,93.588 ; MDE_STM32F407Z.123@124.206,83.278 ccw(c124.206,84.169) 124.836,83.539 ccw(c125.466,82.909) MDE_STM32F407Z.123@124.575,82.909 ; MDE_STM32F407Z.123@124.206,83.43 ccw(c124.206,84.689) 125.096,83.799 ccw(c125.986,82.909) MDE_STM32F407Z.123@124.727,82.909 ; MDE_STM32F407Z.123@124.206,83.583 ccw(c124.206,85.21) 125.356,84.059 ccw(c126.506,82.909) MDE_STM32F407Z.123@124.88,82.909 ; Terminal.3@131.194,93.43 ccw(c130.812,93.048) 130.812,93.588 ccw(c130.812,94.128) Terminal.3@131.194,93.746
T_IO6: MDE_STM32F407Z.124 Terminal.2 | length 20.3
  Top Layer w0.152: MDE_STM32F407Z.124@126.746,85.449 127.384,85.449 128.372,86.436 ; MDE_STM32F407Z.124@126.766,85.51 ccw(c127.036,86.357) 127.664,85.728 ; MDE_STM32F407Z.124@126.812,85.655 ccw(c127.121,86.625) 127.841,85.905 ; MDE_STM32F407Z.124@126.858,85.801 ccw(c127.207,86.893) 128.018,86.082 ; MDE_STM32F407Z.124@126.904,85.946 ccw(c127.292,87.162) 128.195,86.259 ; MDE_STM32F407Z.124@126.951,86.091 ccw(c127.378,87.43) 128.372,86.436 ; Terminal.2@131.194,94.68 ccw(c130.812,94.298) 130.812,94.838 ccw(c130.812,95.378) Terminal.2@131.194,94.996 ; Terminal.2@132.105,94.838 130.017,94.838 128.372,93.193 128.372,86.436
TIM1_PWMOUT1: MDE_STM32F407Z.60 motor1.2 SERVO2.1 | length 77.3
  Top Layer w0.152: MDE_STM32F407Z.60@88.646,54.881 ccw(c88.646,56.209) 89.585,55.27 ; MDE_STM32F407Z.60@88.646,54.969 89.284,54.969 91.491,57.175 98.628,57.175 100,55.804 100,50.622 100.686,49.936 113.208,49.936 115.164,47.981 ; MDE_STM32F407Z.60@88.646,55.033 ccw(c88.646,56.73) 89.846,55.53 ; MDE_STM32F407Z.60@88.646,55.186 ccw(c88.646,57.25) 90.106,55.79 ; MDE_STM32F407Z.60@88.646,55.338 ccw(c88.646,57.77) 90.366,56.05 ; MDE_STM32F407Z.60@88.646,55.49 ccw(c88.646,58.291) 90.626,56.311 ; MDE_STM32F407Z.60@88.646,55.643 ccw(c88.646,58.811) 90.886,56.571 ; v1@91.941,40.437 cw(c91.941,39.701) 92.462,40.221 cw(c92.982,40.742) v1@92.246,40.742 ; v1(91.941,40.742) 93.746,38.937 motor1.2@93.746,37.643 ; motor1.2@93.588,38.503 ccw(c93.206,38.885) 93.746,38.885 ccw(c94.286,38.885) motor1.2@93.904,38.503 ; SERVO2.1@114.916,47.617 ccw(c114.772,47.981) 115.164,47.981 ; SERVO2.1@114.972,47.475 ccw(c114.861,47.757) 115.164,47.757 ccw(c115.466,47.757) SERVO2.1@115.355,47.475 ; SERVO2.1@115.164,46.99 115.164,47.981 ; SERVO2.1@115.411,47.617 cw(c115.555,47.981) 115.164,47.981
  Bottom Layer w0.152: MDE_STM32F407Z.60@88.595,55.041 cw(c88.97,54.511) 89.429,54.97 ; MDE_STM32F407Z.60@88.646,54.969 89.43,54.969 ; MDE_STM32F407Z.60@88.683,54.917 cw(c89.076,54.361) 89.557,54.842 ; MDE_STM32F407Z.60@88.771,54.792 cw(c89.182,54.211) 89.685,54.714 ; MDE_STM32F407Z.60@88.859,54.668 cw(c89.288,54.061) 89.813,54.586 ; MDE_STM32F407Z.60@88.947,54.543 cw(c89.393,53.911) 89.941,54.458 ; MDE_STM32F407Z.60@89.035,54.419 cw(c89.499,53.762) 90.068,54.331 ; MDE_STM32F407Z.60@89.312,54.868 cw(c89.43,54.85) 89.43,54.969 ; MDE_STM32F407Z.60@89.312,55.07 ccw(c89.43,55.088) 89.43,54.969 ; v1@91.745,40.843 92.329,41.427 ; v1@92.081,40.802 cw(c92.469,40.97) 92.17,41.269 ; v1@92.221,40.862 cw(c92.691,41.065) 92.329,41.427 ; 89.43,54.969 90.068,54.331 ; 90.068,54.331 90.068,51.435 92.329,49.174 92.329,41.427
TIM1_PWMOUT2: MDE_STM32F407Z.64 motor1.3 SERVO2.4 | length 78.8
  Top Layer w0.152: v1@90.475,40.437 cw(c90.475,38.597) 91.776,39.898 ; v1@90.475,40.589 cw(c90.475,39.117) 91.515,40.158 ; v1@90.475,40.894 cw(c90.475,40.158) 90.995,40.678 ; v1@90.756,40.624 cw(c90.932,40.551) 90.932,40.742 ; v1@90.756,40.859 ccw(c90.932,40.932) 90.932,40.742 ; MDE_STM32F407Z.64@91.186,54.969 91.186,55.194 92.735,56.744 97.053,56.744 97.511,56.286 97.511,50.622 98.73,49.403 109.703,49.403 SERVO2.4@112.116,46.99 ; MDE_STM32F407Z.64@91.186,55.49 ccw(c91.186,56.206) 91.692,55.7 ; MDE_STM32F407Z.64@91.186,55.643 ccw(c91.186,56.726) 91.952,55.96 ; 91.255,40.418 ccw(c90.475,39.638) v1(90.475,40.742) 90.932,40.742 ; MDE_STM32F407Z.64@91.403,54.969 cw(c92.469,54.969) 91.715,55.723 ; MDE_STM32F407Z.64@91.555,54.969 cw(c92.989,54.969) 91.975,55.983 ; MDE_STM32F407Z.64@91.707,54.969 cw(c93.51,54.969) 92.235,56.243 ; MDE_STM32F407Z.64@91.86,54.969 cw(c94.03,54.969) 92.495,56.504 ; motor1.3@92.338,38.503 ccw(c91.956,38.885) 92.496,38.885 ccw(c93.036,38.885) motor1.3@92.654,38.503 ; motor1.3@92.496,37.643 92.496,39.178 90.932,40.742 ; SERVO2.4@111.442,46.99 ccw(c109.815,46.99) 110.965,48.14 ccw(c112.116,49.29) SERVO2.4@112.116,47.664 ; SERVO2.4@111.594,46.99 ccw(c110.335,46.99) 111.226,47.88 ccw(c112.116,48.77) SERVO2.4@112.116,47.511 ; SERVO2.4@111.747,46.99 ccw(c110.856,46.99) 111.486,47.62 ccw(c112.116,48.25) SERVO2.4@112.116,47.359
  Bottom Layer w0.152: 89.945,55.927 ccw(c91.016,56.998) MDE_STM32F407Z.64@91.143,55.489 ; 90.177,55.695 ccw(c91.052,56.57) MDE_STM32F407Z.64@91.155,55.337 ; 90.236,55.636 cw(c89.568,54.969) MDE_STM32F407Z.64@90.512,54.969 ; 90.41,55.463 ccw(c91.088,56.141) MDE_STM32F407Z.64@91.168,55.185 ; v1(90.475,40.742) 90.932,41.199 ; 90.496,55.376 cw(c90.089,54.969) MDE_STM32F407Z.64@90.665,54.969 ; v1@90.504,41.045 ccw(c90.555,41.576) 90.932,41.199 ; v1@90.778,40.771 cw(c91.309,40.822) 90.932,41.199 ; MDE_STM32F407Z.64@91.13,55.641 cw(c90.98,57.427) 89.713,56.159 ; MDE_STM32F407Z.64@91.186,54.969 90.903,54.969 89.713,56.159 ; 89.713,56.159 88.113,56.159 87.579,55.626 87.579,50.343 90.932,46.99 90.932,41.199
TIM1_PWMOUT3: MDE_STM32F407Z.66 motor2.2 SERVO2.7 | length 127.2
  Top Layer w0.152: 92.755,53.893 cw(c93.726,52.922) MDE_STM32F407Z.66@93.726,54.295 ; 92.917,54.055 ccw(c92.194,54.778) MDE_STM32F407Z.66@93.209,54.905 ; 93.015,54.153 cw(c93.726,53.443) MDE_STM32F407Z.66@93.726,54.448 ; MDE_STM32F407Z.66@93.057,54.886 cw(c91.802,54.729) 92.697,53.835 ; 93.137,54.275 ccw(c92.586,54.827) MDE_STM32F407Z.66@93.36,54.923 ; MDE_STM32F407Z.66@93.726,54.969 93.726,54.864 92.697,53.835 ; v1@94.634,66.348 cw(c94.54,66.146) 94.763,66.146 ; v1(94.763,66.624) 94.763,66.146 ; v1@94.892,66.348 ccw(c94.986,66.146) 94.763,66.146 ; 107.984,48.531 cw(c106.612,47.159) SERVO2.7@108.547,47.026 ; 108.221,48.294 cw(c107.055,47.129) SERVO2.7@108.699,47.015 ; SERVO2.7@108.395,47.036 ccw(c106.169,47.19) 107.747,48.768 ; 108.457,48.057 cw(c107.498,47.098) SERVO2.7@108.852,47.005 ; 108.694,47.821 cw(c107.941,47.068) SERVO2.7@109.004,46.994 ; 108.698,47.817 ccw(c109.068,48.187) SERVO2.7@109.068,47.664 ; SERVO2.7@109.068,46.99 109.068,47.447 107.747,48.768 ; 119.446,68.529 ccw(c119.446,69.352) v1@120.028,68.77 ; 119.569,68.529 cw(c119.569,67.88) v1@120.028,68.339 ; 119.814,68.529 ccw(c119.814,68.984) v1@120.136,68.662 ; v1@120.244,68.529 98.044,68.529 97.46,67.945 97.46,66.116 96.799,65.456 95.453,65.456 94.763,66.146 ; motor2.2@126.684,38.503 ccw(c126.363,38.824) 126.817,38.824 ; motor2.2@126.817,37.643 126.817,39.334 ; 126.817,38.947 ccw(c127.444,38.947) motor2.2@127,38.503 ; v1@126.981,39.778 cw(c126.417,39.734) 126.817,39.334 ; v1@127.261,39.498 ccw(c127.216,38.935) 126.817,39.334 ; v1(127.284,39.802) 126.817,39.334 ; 92.697,53.835 92.697,50.661 94.59,48.768 107.747,48.768
  Bottom Layer w0.152: MDE_STM32F407Z.66@93.25,55.446 ccw(c92.099,56.596) 93.726,56.596 ccw(c95.353,56.596) MDE_STM32F407Z.66@94.202,55.446 ; MDE_STM32F407Z.66@93.357,55.338 ccw(c92.467,56.228) 93.726,56.228 ccw(c94.985,56.228) MDE_STM32F407Z.66@94.095,55.338 ; MDE_STM32F407Z.66@93.465,55.23 ccw(c92.835,55.86) 93.726,55.86 ccw(c94.617,55.86) MDE_STM32F407Z.66@93.987,55.23 ; MDE_STM32F407Z.66@93.726,54.969 93.726,65.587 v1(94.763,66.624) ; v1@94.458,66.624 cw(c93.723,66.624) 94.243,66.104 cw(c94.763,65.584) v1@94.763,66.319 ; v1@119.939,68.555 119.482,68.555 119.253,68.326 119.253,58.344 120.574,57.023 120.574,48.743 119.964,48.133 119.964,46.482 120.523,45.923 125.222,45.923 126.187,44.958 126.187,40.899 v1(127.284,39.802) ; v1@120.028,68.339 ccw(c119.508,67.819) 119.508,68.555 ccw(c119.508,69.29) v1@120.028,68.77 ; v1@126.98,39.802 ccw(c126.244,39.802) 126.764,40.322 ccw(c127.284,40.842) v1@127.284,40.107
  other v1: 120.244,68.555